# Altium PCB StratoChovy.PcbDoc (part 1 of 2)
Units mil, origin at the board's own origin, x right, y up, seen from the top; angles counter-clockwise.
Board outline 2600 x 7150 mil, 4 copper layers (Top Layer, Plane (GND), Plane (3V3), Bottom Layer), stack 53.912 mil thick; 152 components, 118 nets, 695 pads, 228 vias.
Unrouted connection lines stored in the file: 53.
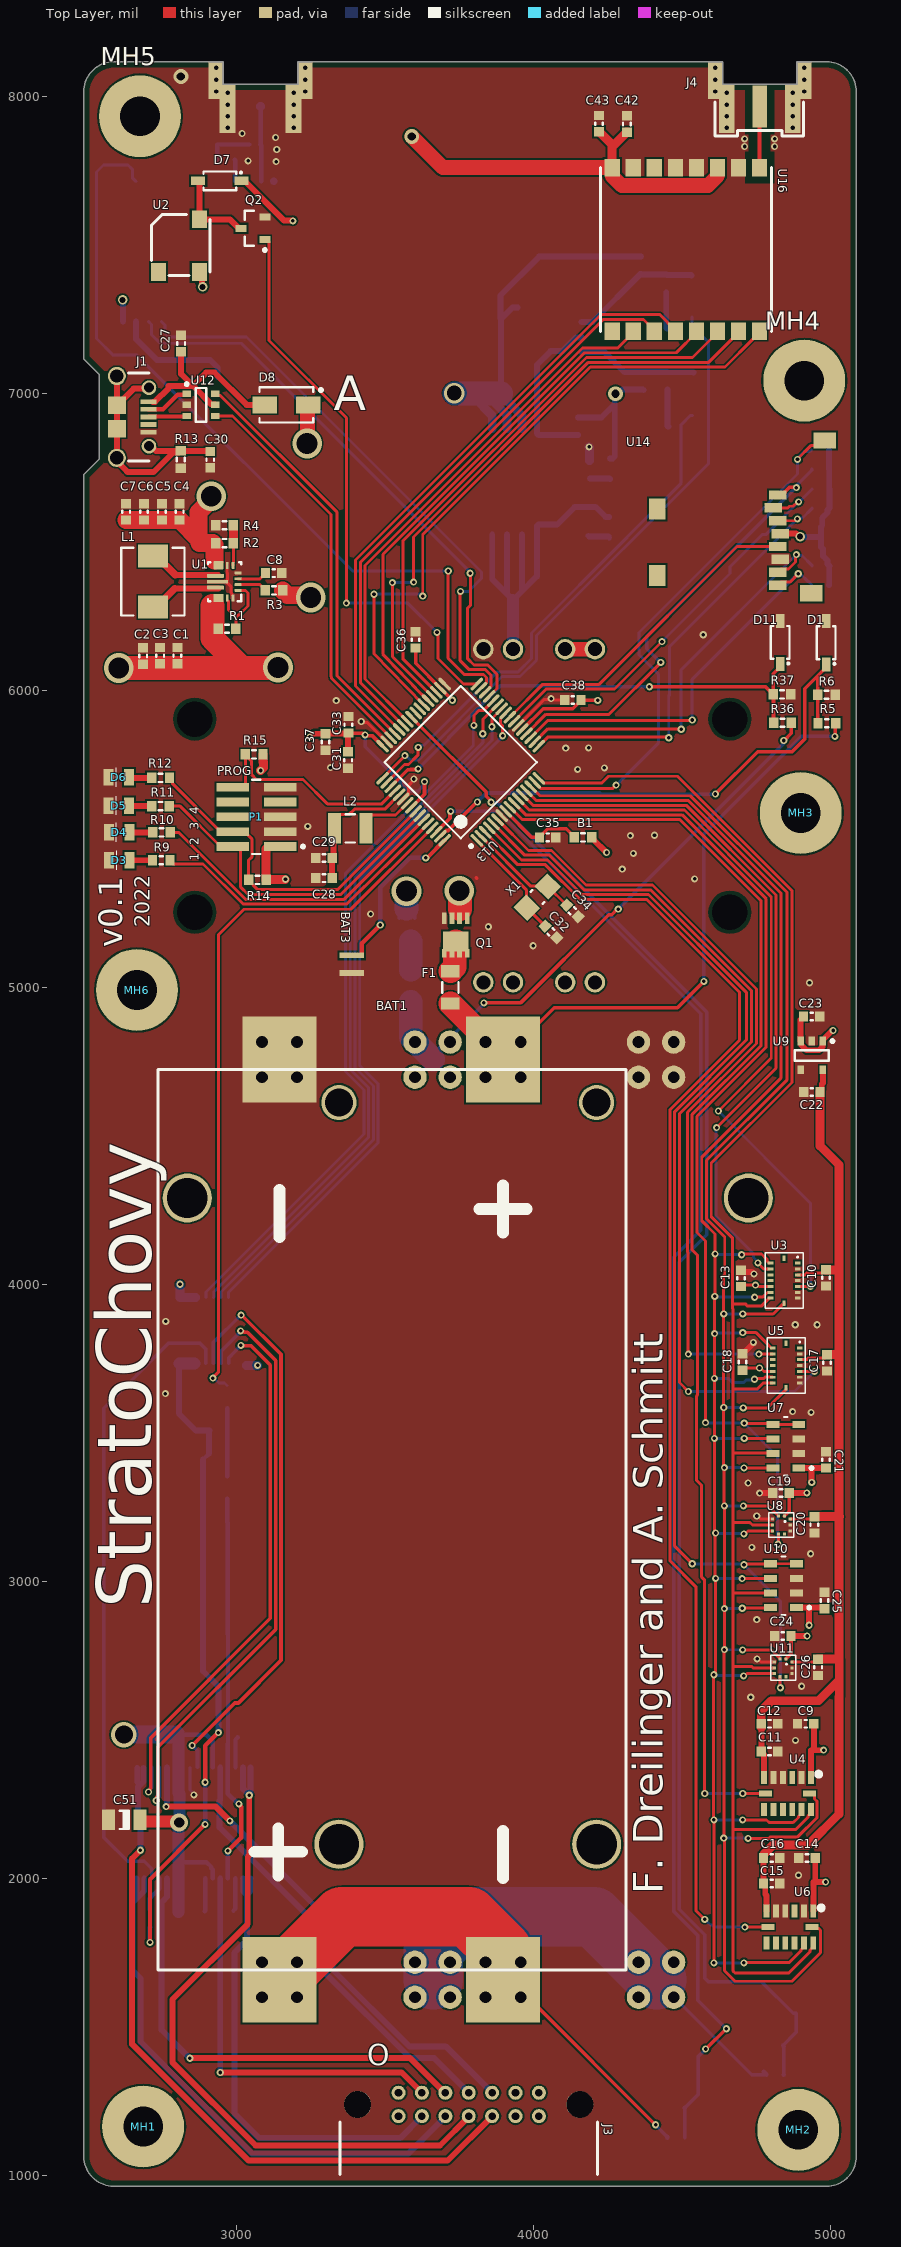
[diagram p0: Top Layer view]
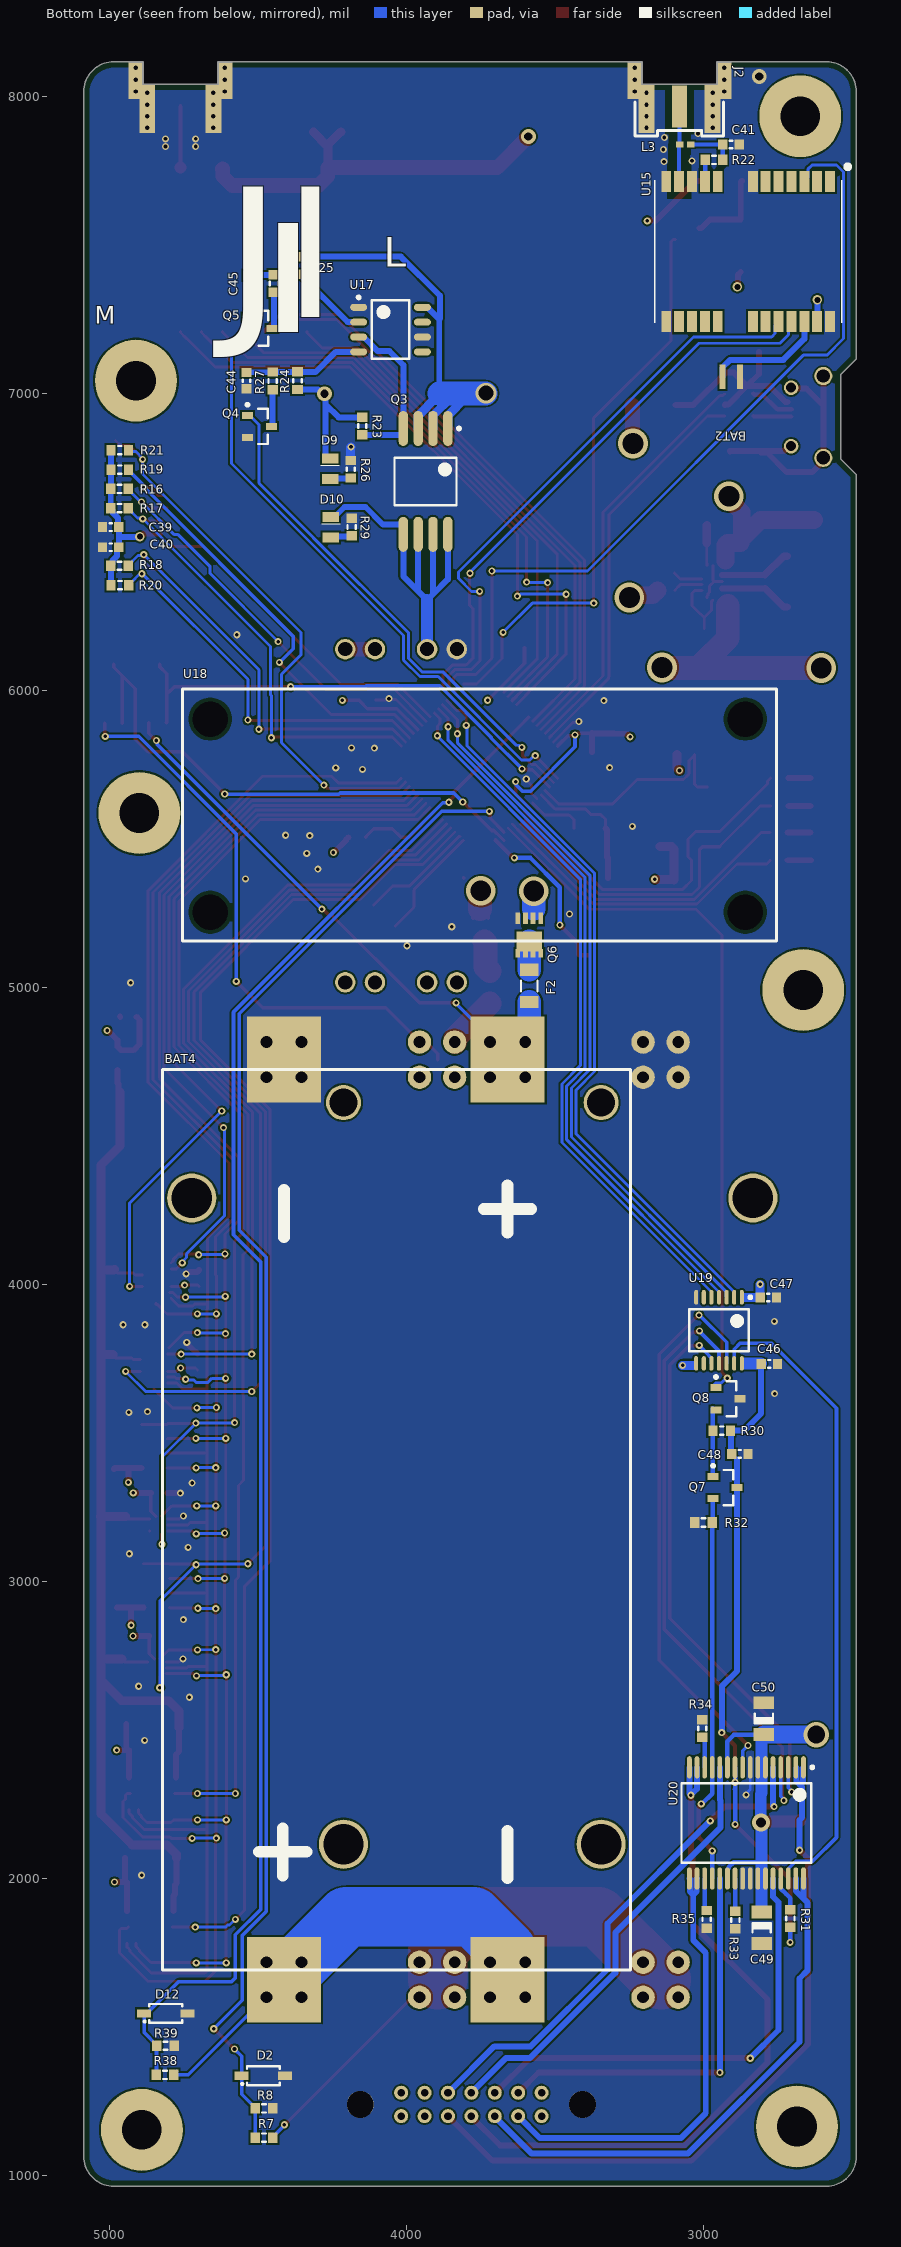
[diagram p1: Bottom Layer view, seen from below]
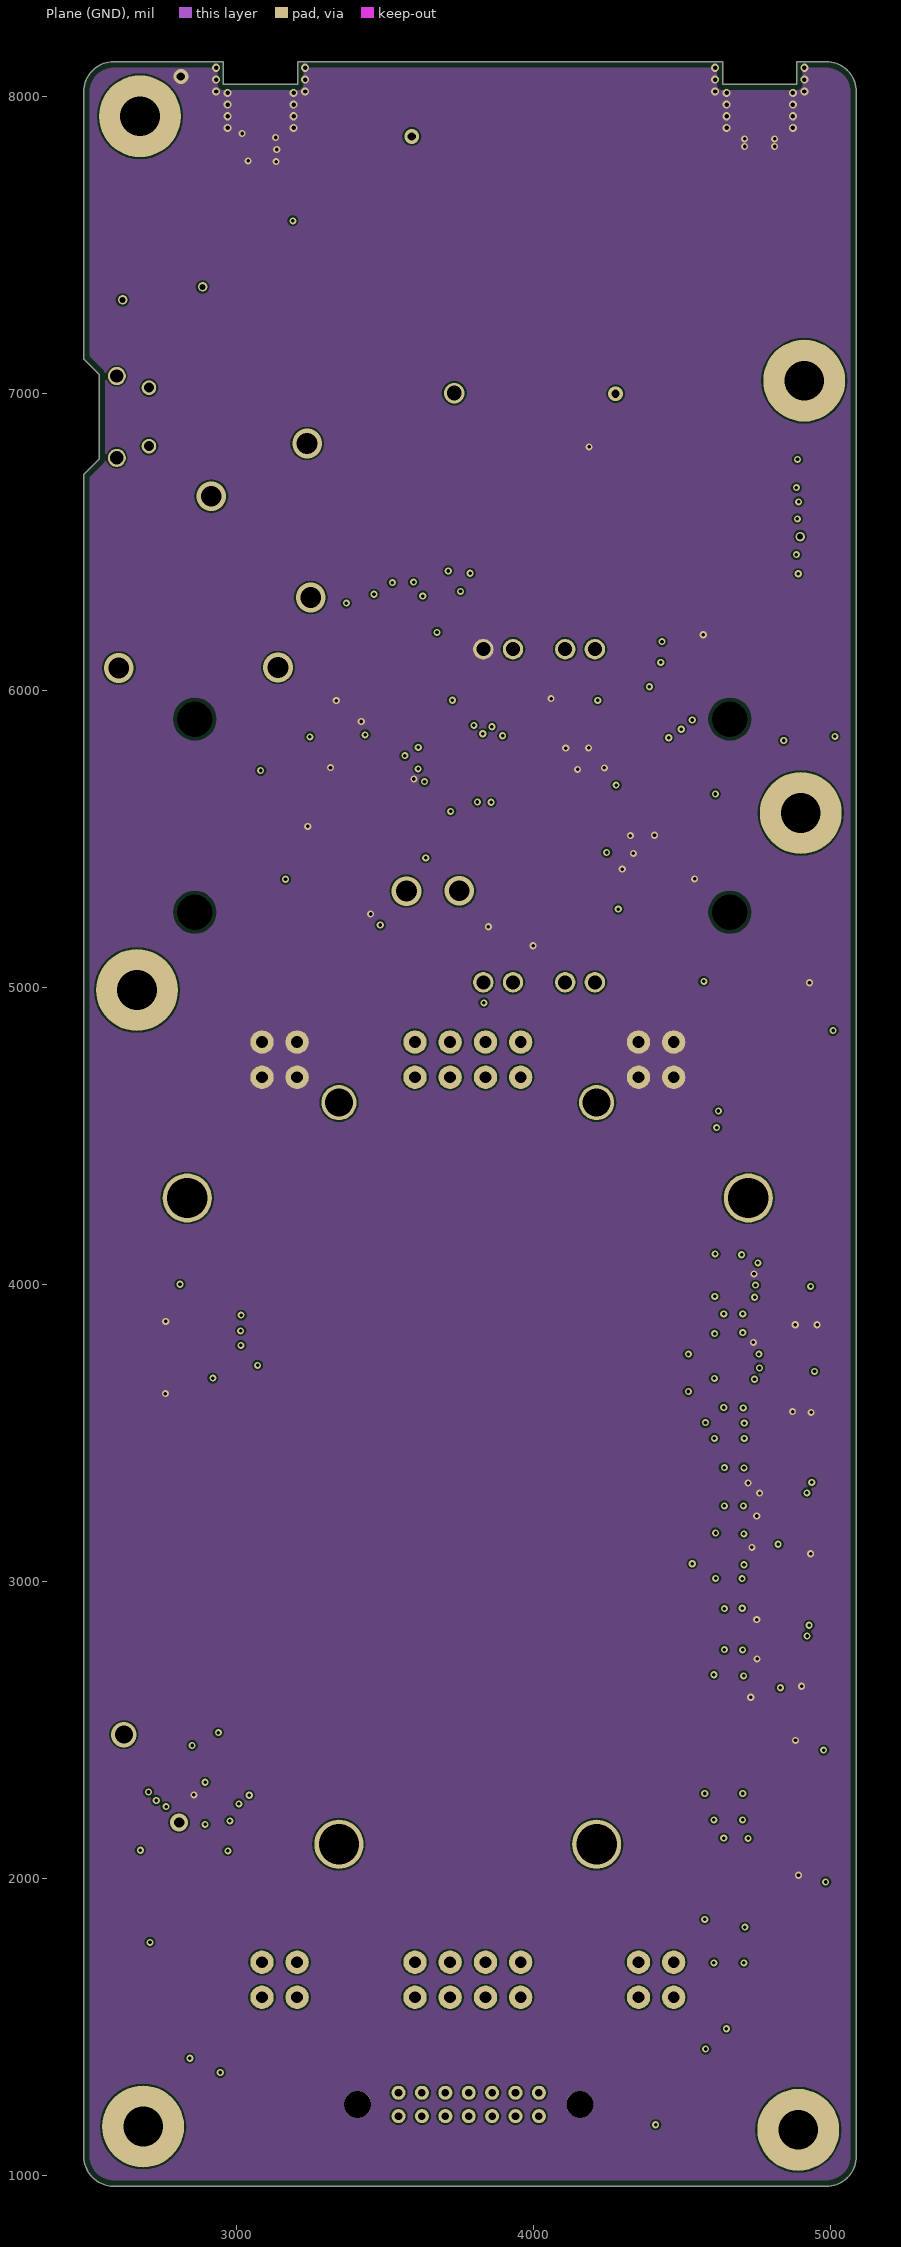
[diagram p2: Plane (GND)]
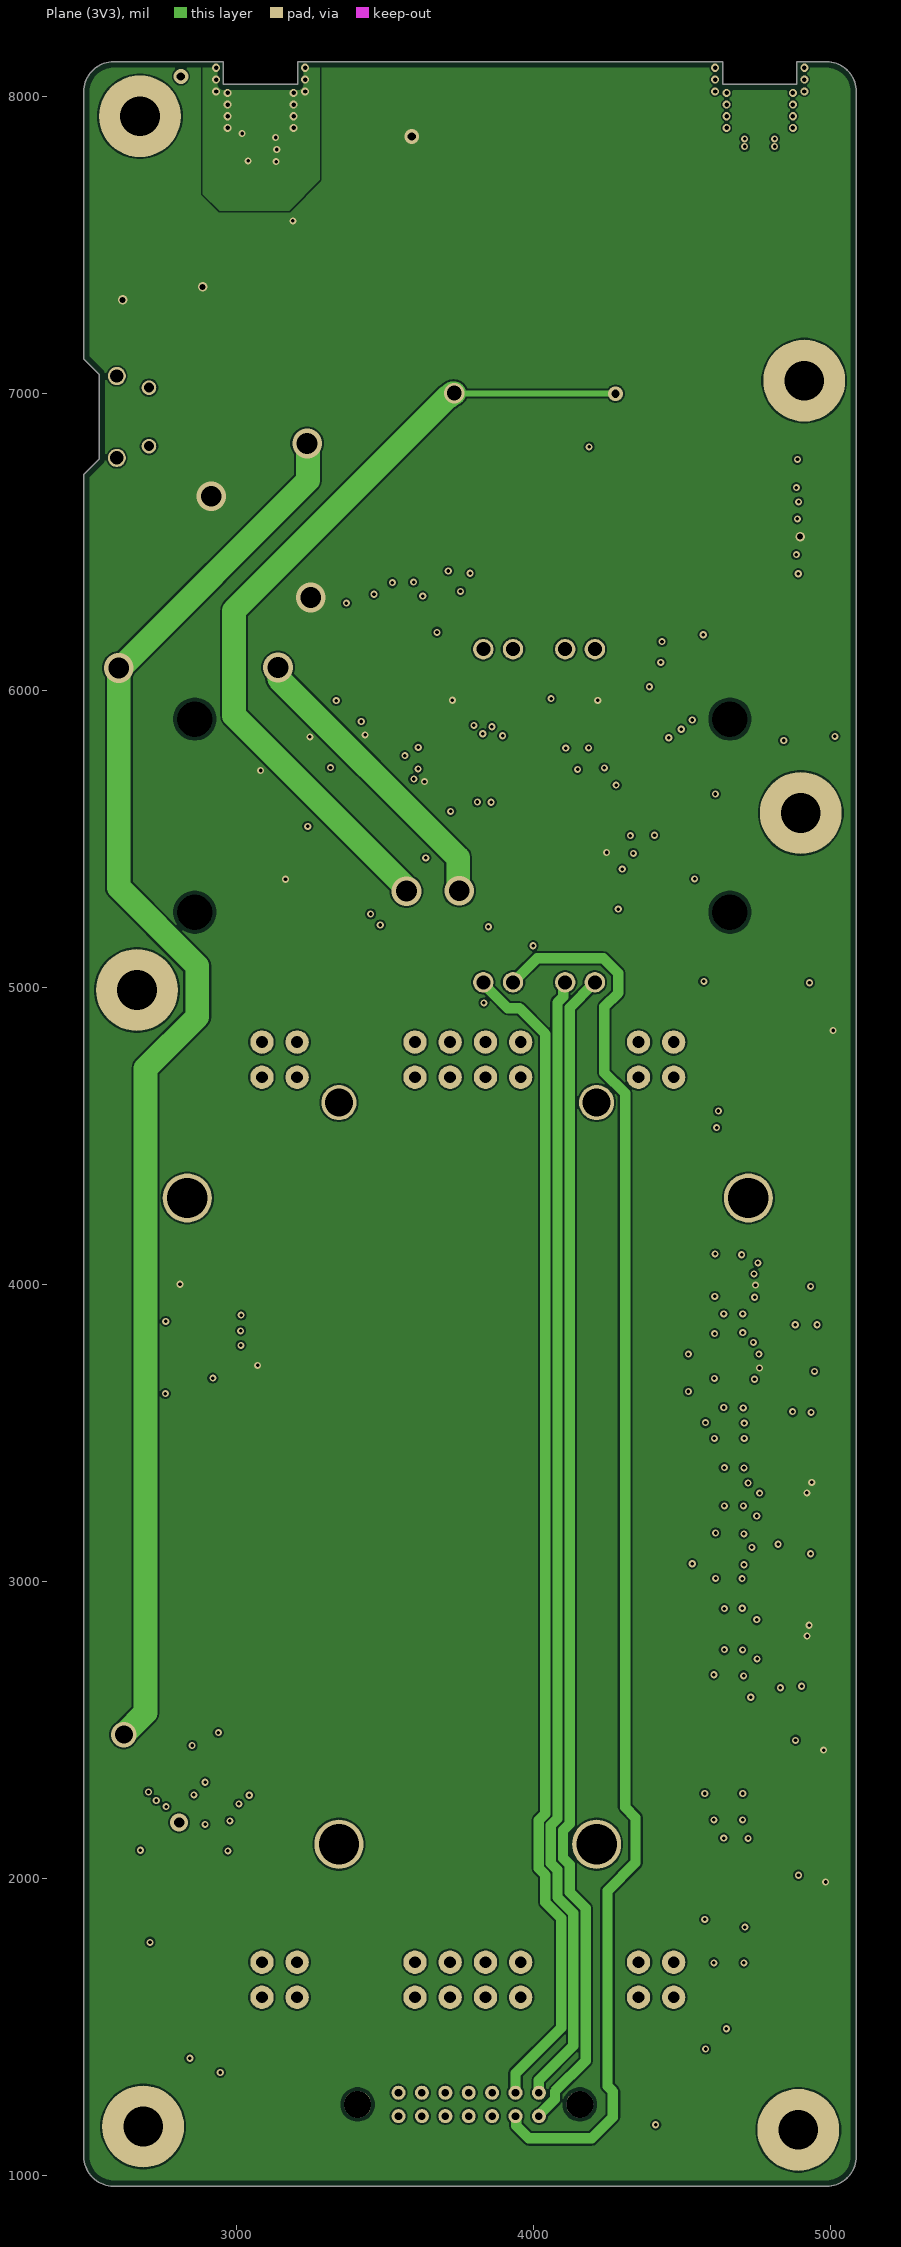
[diagram p3: Plane (3V3)]

## Layer stack, top to bottom
Top Solder: solder mask 1, SM-001, Dk 4
Top Layer: signal copper 1.378
Dielectric 1: prepreg 5.1, PP-017, Dk 4.3
Dielectric 2: prepreg 5.1, PP-017, Dk 4.3
Plane (GND): signal copper 1.378
Dielectric 3: core 28, Core-039, Dk 4.8
Plane (3V3): signal copper 1.378
Dielectric 4: prepreg 5.1, PP-017, Dk 4.3
Dielectric 5: prepreg 5.1, PP-017, Dk 4.3
Bottom Layer: signal copper 1.378
Bottom Solder: solder mask 1, SM-001, Dk 4

## Board outline
2485.25,1065.25 2485.25,6725.84 2536.87,6777.45 2536.87,7063.63 2485.25,7115.25 2485.25,8015.25 cw(c2585.25,8015.25) 2585.25,8115.25 2955.25,8115.25 2955.25,8040.25 3205.25,8040.25 3205.25,8115.25 4635.25,8115.25 4635.25,8040.25 4885.25,8040.25 4885.25,8115.25 4985.18,8115.25 cw(c4985.25,8015.25) 5085.25,8015.25 5085.25,1065.25 cw(c4985.25,1065.25) 4985.25,965.25 2585.25,965.25 cw(c2585.25,1065.25)

## Design rules (kind name [scope] priority, off if disabled: settings)
BoardOutlineClearance BoardOutlineClearance_SMA [(InComponent('J2') OR InComponent('J4'))] p1: gap=0 ignorepadtopadclearanceinfootprint=FALSE
BoardOutlineClearance [( Not OnLayer('Bottom Overlay')) AND ( Not OnLayer('Top Overlay'))] p2: gap=20 ignorepadtopadclearanceinfootprint=FALSE except(0: Arc-SplitContinuation Track-SplitContinuation SMDPad-SplitContinuation THPad-SplitContinuation Via-SplitContinuation Fill-SplitContinuation Poly-SplitContinuation Region-SplitContinuation Text-SplitContinuation)
Clearance Radio2 [InNet('ANT')] p1: gap=0 ignorepadtopadclearanceinfootprint=FALSE except(25: SMDPad-Fill SMDPad-Poly SMDPad-Region; 30: Arc-Fill Arc-Poly Arc-Region Track-Fill Track-Poly Track-Region THPad-Fill THPad-Poly THPad-Region Via-Fill Via-Poly Via-Region Fill-Fill Fill-Poly Fill-Region Poly-Poly Poly-Region Region-Region)
Clearance Radio1 [InNet('NetJ2_S1')] p2: gap=0 ignorepadtopadclearanceinfootprint=FALSE except(25: SMDPad-Fill SMDPad-Poly SMDPad-Region; 30: Arc-Fill Arc-Poly Arc-Region Track-Fill Track-Poly Track-Region THPad-Fill THPad-Poly THPad-Region Via-Fill Via-Poly Via-Region Fill-Fill Fill-Poly Fill-Region Poly-Poly Poly-Region Region-Region)
Clearance [All] p3: gap=6 ignorepadtopadclearanceinfootprint=TRUE except(0: Text-Hole; 12: Arc-Hole Track-Hole SMDPad-Hole THPad-Hole Via-Hole Fill-Hole Poly-Hole Region-Hole; 13: Arc-THPad Arc-Via Track-THPad Track-Via SMDPad-THPad SMDPad-Via THPad-THPad THPad-Via Via-Via)
DiffPairsRouting [All] p1: maxlimit=10 minlimit=5 mostfreqgap=10 toplayer_minwidth=5 toplayer_maxwidth=15 toplayer_prefwidth=10 midlayer1_mingap=10 midlayer1_minwidth=10 midlayer1_maxwidth=15 midlayer1_prefwidth=10 midlayer2_mingap=10 midlayer2_minwidth=10 midlayer2_maxwidth=15 midlayer2_prefwidth=10 bottomlayer_minwidth=5 bottomlayer_maxwidth=15 bottomlayer_prefwidth=10 maxuncoupledlength=500
HoleSize [All] p1: absolutevalues=TRUE maxlimit=1000 minlimit=10 maxpercent=80.000 minpercent=20.000
MinimumAnnularRing [All] p1: minimumring=6
MinimumSolderMaskSliver [All] p1: minsoldermaskwidth=0
PlaneConnect [All] p1: planeconnectstyle=Direct reliefexpansion=20 reliefentries=4 reliefconductorwidth=10 reliefairgap=10
PolygonConnect [All] p1: connectstyle=Direct reliefconductorwidth=10 reliefentries=4 polygonreliefangle="90 Angle" airgapwidth=10
RoutingVias [All] p1: holewidth=12 width=24 viastyle="Through Hole" minholewidth=12 minwidth=24 maxholewidth=1000 maxwidth=1000
SilkToSilkClearance [All] p1: silktosilkclearance=0
SilkToSolderMaskClearance [IsPad] p1: minsilkscreentomaskgap=0 clearancetoexposedcopper=TRUE
SolderMaskExpansion [All] p1: expansion=4 istentingtop=FALSE
UnRoutedNet [All] p1: checkbadconnections=TRUE
Width [All] p1: maxlimit=1000 minlimit=6 preferedwidth=6 toplayer_prefwidth=10 midlayer1_maxwidth=100 midlayer2_maxwidth=100 minimp=50.000000 maximp=50.000000 favimp=50.000000 checkconnectedcopper=TRUE
23 further rules are at their usual default settings.

## Classes and differential pairs
component class LevelShifter: C46 C47 U19
component class SAMD51: B1 C27 C28 C29 C30 C31 C32 C33 C34 C35 C36 C37 C38 J1 L2 P1 R13 R14 R15 U12 U13 X1
component class U_Radio: C42 C43 J4 U16
component class "Squib Driver": C48 C49 C50 C51 C54 C55 Q7 Q8 R30 R31 R32 R33 R34 R35 R40 R43 R44 U20
component class COTS_Altimeter: BAT4 C44 C45 D9 D10 D11 D12 F2 Q3 Q4 Q5 Q6 R23 R24 R25 R26 R27 R28 R29 R36 R37 R38 R39 U17 U18
component class GPS: BAT2 C41 J2 L3 R22 U15
component class SD: C39 C40 R16 R17 R18 R19 R20 R21 U14
component class Sensors: C9 C10 C11 C12 C13 C14 C15 C16 C17 C18 C19 C20 C21 C21_Sensor1 C22 C22_Sensor1 C23 C23_Sensor1 C24 C24_Sensor1 C25 C25_Sensor1 C26 C26_Sensor1 C27_Sensor1 U3 U4 U5 U6 U6_Sensor1 U7 U7_Sensor1 U8 U8_Sensor1 U9 U10 U11
component class StratoChovy: BAT3 D8 J3 MH1 MH2 MH3 MH4 MH5 MH6
differential pair USB: +USB_P -USB_N
differential pair USB_CON: +USB_CON_P -USB_CON_N

## Components (designator, comment, footprint, x,y, rotation, side; value= is the part's Value field where it differs from the comment)
B1 "FB_1608" R0603 4165.3,5505 r180 top
BAT1 "BATT_Clip_Li-Ion_2x" BATT_18650_KEYSTONE_1048 3522.29,3208.52 r90 top locked
BAT2 "BAT_MS621FE" BATT_COINCELL_RECHARGEABLE 2936,7055 r90 bottom
BAT3 "BAT_MS621FE" BATT_COINCELL_RECHARGEABLE 3387,5108 r0 top
BAT4 "BATT_Clip_Li-Ion_2x" BATT_18650_KEYSTONE_1048 4032.96,3208.52 r90 bottom locked
C1 "490-13248-1-ND" C0603 2800.07,6116.31 r90 top
C2 "490-13248-1-ND" C0603 2684.93,6115.53 r90 top
C3 "490-13248-1-ND" C0603 2742.18,6116.31 r90 top
C4 "490-13248-1-ND" C0603 2807.87,6600.47 r90 top
C5 "1276-7076-1-ND" C0603 2747.87,6600.47 r90 top
C6 "1276-7076-1-ND" C0603 2687.87,6600.47 r90 top
C7 "1276-7076-1-ND" C0603 2627.87,6600.47 r90 top
C8 "490-1519-1-ND" C0603 3124.12,6394.27 r0 top
C9 "490-1519-1-ND" C0603 4914.8,2521.75 r180 top
C10 "490-1519-1-ND" C0603 4983,4022.56 r270 top
C11 "490-1519-1-ND" C0603 4793.24,2428 r180 top
C12 "490-13248-1-ND" C0603 4792.8,2521.75 r0 top
C13 "490-1519-1-ND" C0603 4697,4021 r90 top
C14 "490-1519-1-ND" C0603 4919.44,2070 r180 top
C15 "490-1519-1-ND" C0603 4800.56,1984 r180 top
C16 "490-13248-1-ND" C0603 4800.56,2070 r0 top
C17 "490-1519-1-ND" C0603 4986.56,3736.56 r270 top
C18 "490-1519-1-ND" C0603 4702.56,3739.44 r90 top
C19 "490-1519-1-ND" C0603 4832,3298.51 r180 top
C20 "490-1519-1-ND" C0603 4944,3191.3 r270 top
C21 "490-1519-1-ND" C0603 4983,3410 r90 top
C22 "490-13248-1-ND" C0603 4935.56,4648 r180 top
C23 "490-1519-1-ND" C0603 4935,4902 r0 top
C24 "490-1519-1-ND" C0603 4837.86,2817 r180 top
C25 "490-1519-1-ND" C0603 4978,2936.55 r90 top
C26 "490-1519-1-ND" C0603 4956.86,2711.44 r270 top
C27 "490-1519-1-ND" C0603 2813,7167 r90 top
C28 "311-1785-1-ND" C0603 3293.61,5367.75 r0 top
C29 "490-1519-1-ND" C0603 3293.61,5435.75 r180 top
C30 "490-1506-1-ND" C0603 2910.76,6776.24 r90 top
C31 "490-1519-1-ND" C0603 3374.88,5765 r90 top
C32 "490-1411-1-ND" C0603 4057.61,5186.74 r135 top
C33 "490-1519-1-ND" C0603 3375.39,5884 r270 top
C34 "490-1411-1-ND" C0603 4129.51,5257.49 r135 top
C35 "490-1519-1-ND" C0603 4046.47,5505 r180 top
C36 "490-1519-1-ND" C0603 3602,6170 r270 top
C37 "490-13248-1-ND" C0603 3298.97,5826.21 r90 top
C38 "490-1519-1-ND" C0603 4131.26,5967 r180 top
C39 "490-13248-1-ND" C0603 4994.61,6548.85 r180 bottom
C40 "490-1519-1-ND" C0603 4994.7,6481.43 r0 bottom
C41 "490-1512-1-ND" C0603 2907,7837 r0 bottom
C42 "490-13248-1-ND" C0603 4313,7906 r90 top
C43 "490-13248-1-ND" C0603 4219,7907 r90 top
C44 "490-13248-1-ND" C0603 4538,7042 r270 bottom
C45 "490-13248-1-ND" C0603 4530.65,7368.7 r270 bottom
C46 "CAP_CER_100NF_100V" C0603 2778.23,3733 r180 bottom
C47 "CAP_CER_100NF_100V" C0603 2781.23,3956 r180 bottom
C48 "CAP_CER_100NF_100V" C0603 2877.2,3430 r180 bottom
C49 "CAP_TANT_33UF" C1206P 2804,1834.85 r270 bottom
C50 "CAP_TANT_33UF" C1206P 2796,2539.15 r90 bottom
C51 "CAP_TANT_33UF" C1206P 2621.15,2198 r180 top
D1 "SCHOTTKY_MBR0520L" SOD123 4983.95,6160 r270 top
D2 "SCHOTTKY_MBR0520L" SOD123 4481.06,1337 r0 bottom
D3 "LED_LY971" 0805_Diode 2614,5428 r0 top
D4 "LED_LY971" 0805_Diode 2614,5522 r0 top
D5 "LED_LY971" 0805_Diode 2613,5612 r0 top
D6 "LED_LY971" 0805_Diode 2612.83,5707.39 r0 top
D7 "Symbol" SOD123 2943.17,7714.68 r0 top
D8 "Diode_CD214A-B1100LF" SMA 3167.15,6960.47 r0 top
D9 "LED_LY971" 0805_Diode 4256.32,6735.55 r270 bottom
D10 "LED_LY974" 0805_Diode 4253.7,6539 r270 bottom
D11 "SCHOTTKY_MBR0520L" SOD123 4828.95,6161 r270 top
D12 "SCHOTTKY_MBR0520L" SOD123 4809.56,1547 r0 bottom
F1 "__template_fuse" R1206 3719,5000 r90 top
F2 "__template_fuse" R1206 3586,5004.98 r90 bottom
J1 "CONN_USB_MICROB_SMD_TH_R/A" CONN_USBMICROB_10118194-0001LF 2596.38,6919.94 r270 top
J2 "SMA-J-P-X-ST-EM2" SMA-J-P-X-ST-EM1 3080.25,8040.25 r180 bottom locked
J3 "HARWIN_MALE_RIGHT-ANGLE_M80-5401442" HARWIN_M80-5401442 3780.78,1240.37 r0 top locked
J4 "SMA-J-P-X-ST-EM2" SMA-J-P-X-ST-EM1 4760.25,8040.25 r0 top
L1 "Symbol" SMD5230 2718,6366 r90 top
L2 "Symbol" C1210 3381.84,5535.18 r0 top
L3 "490-15373-1-ND" R0402 3060.67,7837 r0 bottom
MH1 "SCREW" SCREW_M3 2685,1166 r0 top
MH2 "SCREW" SCREW_M3 4890,1155 r0 top
MH3 "SCREW" SCREW_M3 4898.43,5587 r0 top
MH4 "SCREW" SCREW_M3 4909.88,7042 r0 top
MH5 "SCREW" SCREW_M3 2674,7931.98 r0 top
MH6 "SCREW" SCREW_M3 2664,4991 r0 top
P1 "FTSH-105-01-F-DV-K" SMTC-FTSH-105-01-L-DV-K_V 3066.12,5574 r90 top
Q1 "Si7615" POWERPAK_1212-8_SINGLE 3737,5188 r270 top
Q2 "Symbol" 3SOT23 3054.17,7555 r180 top
Q3 "PFET_SI4435DY" 8SOIC300 3935,6703 r270 bottom
Q4 "NFET_IRFML8244TRPBF" 3SOT23 4494,6888 r180 bottom
Q5 "NFET_IRFML8244TRPBF" 3SOT23 4492.01,7218.26 r180 bottom
Q6 "SI7615" POWERPAK_1212-8_SINGLE 3586,5188 r270 bottom
Q7 "PFET_Si2305DS" 3SOT23 2926.91,3316.6 r180 bottom
Q8 "NFET_IRFML8244TRPBF" 3SOT23 2917.42,3615.52 r180 bottom
R1 "311-10.0KHRCT-ND" R0603 2967.56,6207.27 r180 top
R2 "311-470KHRCT-ND" R0603 2959.09,6495.46 r180 top
R3 "311-100KHRCT-ND" R0603 3125.09,6335.91 r0 top
R4 "311-150KHRCT-ND" R0603 2959.18,6555.29 r180 top
R5 "311-20.0KHRCT-ND" R0603 4985.95,5889 r0 top
R6 "311-10.0KHRCT-ND" R0603 4984.95,5985 r180 top
R7 "311-10.0KHRCT-ND" R0603 4479,1129 r180 bottom
R8 "311-20.0KHRCT-ND" R0603 4479,1227 r0 bottom
R9 "311-100HRCT-ND" R0603 2746,5428 r180 top
R10 "311-100HRCT-ND" R0603 2746.43,5521.51 r180 top
R11 "311-100HRCT-ND" R0603 2743.73,5610 r180 top
R12 "311-100HRCT-ND" R0603 2743.95,5705 r180 top
R13 "311-1.00MHRCT-ND" R0603 2811.5,6776.29 r270 top
R14 "311-1.00KHRCT-ND" R0603 3069.47,5362 r0 top
R15 "311-10.0KHRCT-ND" R0603 3058.65,5784 r0 top
R16 "311-100KHRCT-ND" R0603 4965,6678 r180 bottom
R17 "311-10.0KHRCT-ND" R0603 4965.17,6613 r180 bottom
R18 "311-100KHRCT-ND" R0603 4965.17,6419 r180 bottom
R19 "311-100KHRCT-ND" R0603 4964.3,6743 r180 bottom
R20 "311-100KHRCT-ND" R0603 4964,6354 r180 bottom
R21 "311-10.0KHRCT-ND" R0603 4964.3,6808.2 r180 bottom
R22 "311-10.0HRCT-ND" R0603 2964,7785 r180 bottom
R23 "311-10.0KHRCT-ND" R0603 4148,6889 r90 bottom
R24 "311-10.0KHRCT-ND" R0603 4366,7042 r270 bottom
R25 "311-10.0KHRCT-ND" R0603 4360.04,7430 r90 bottom
R26 "311-330HRCT-ND" R0603 4187,6744 r270 bottom
R27 "311-1.00KHRCT-ND" R0603 4450,7041.52 r90 bottom
R28 "311-1.00KHRCT-ND" R0603 4445.65,7369.26 r90 bottom
R29 "311-330HRCT-ND" R0603 4183.7,6549.55 r270 bottom
R30 "311-10.0KHRCT-ND" R0603 2938.23,3508.35 r180 bottom
R31 "311-10.0KHRCT-ND" R0603 2707,1866.39 r270 bottom
R32 "311-10.0KHRCT-ND" R0603 2999.25,3199 r180 bottom
R33 "311-10.0KHRCT-ND" R0603 2892,1861.47 r270 bottom
R34 "311-10.0KHRCT-ND" R0603 3004,2505.46 r270 bottom
R35 "311-10.0KHRCT-ND" R0603 2989,1863.44 r270 bottom
R36 "311-20.0KHRCT-ND" R0603 4836.87,5890.95 r0 top
R37 "311-10.0KHRCT-ND" R0603 4835.43,5985.95 r180 top
R38 "311-10.0KHRCT-ND" R0603 4811.96,1340 r180 bottom
R39 "311-20.0KHRCT-ND" R0603 4810,1438 r0 bottom
U1 "TPS63070RNM" TPS63070 3023.67,6280.75 r90 top
U2 "BUZ_SMT-0540-T-7-R" BUZ_SMT-0540-T-7-R 2874.17,7585 r180 top
U3 "IMU_BMI088" BMI088 4901.22,3924.42 r90 top
U4 "ADXL375BCCZ" LGA_CC-14-1 4853.8,2287 r270 top
U5 "IMU_BMI088" BMI088 4908.28,3638.73 r90 top
U6 "ADXL375BCCZ" LGA_CC-14-1 4861.75,1837.03 r270 top
U7 "MS561101BA03-50" MSI-MS561101BA03-50-8_V 4848,3455.8 r180 top
U8 "BMP388" "8 pin LGA" 4833.02,3190.51 r0 top
U9 "LDO_TLV70033QDDCRQ1" 5SOT23 4935,4771 r270 top
U10 "MS561101BA03-50" MSI-MS561101BA03-50-8_V 4840.25,2986.39 r180 top
U11 "BMP388" "8 pin LGA" 4838.86,2710 r0 top
U12 "USBLC6-2" 6SOT23 2879.75,6960.47 r0 top
U13 "SAME51J20A-A" "SAMD TQFP-64" 3753.78,5758 r135 top locked
U14 "MICRO_SD_CARD_HOLDER" MICROSD_CARD_SOCKET 4970.87,6305.29 r270 top locked
U15 "NEO-M8Q" NEO_M8 2854.33,7476.78 r90 bottom
U16 "DRF1268T" DRF1268T 4759.73,7759 r270 top
U17 "TIM_TLC555CDR" 8SOIC390 4053,7214 r180 bottom
U18 "STRATOLOGGERCF_ALTIMETER" STRATOLOGGER_ALTIMETER 4659.78,5253 r90 bottom locked
U19 "LVLSHFT_TXB0104PWR" 14TSSOP65 2947.41,3845.78 r270 bottom locked
U20 "SQUIB_MC33797" SOT1762-1 2855,2188 r270 bottom locked
X1 "Symbol" XTAL_TXC_9HT10 4011.51,5303.94 r225 top
